# Altium PCB Test_Board.PcbDoc
Units mm, origin at the board's own origin, x right, y up, seen from the top; angles counter-clockwise.
Board outline 25 x 75 mm, 2 copper layers (Top Layer, Bottom Layer); 95 components, 49 nets, 222 pads, 137 vias.
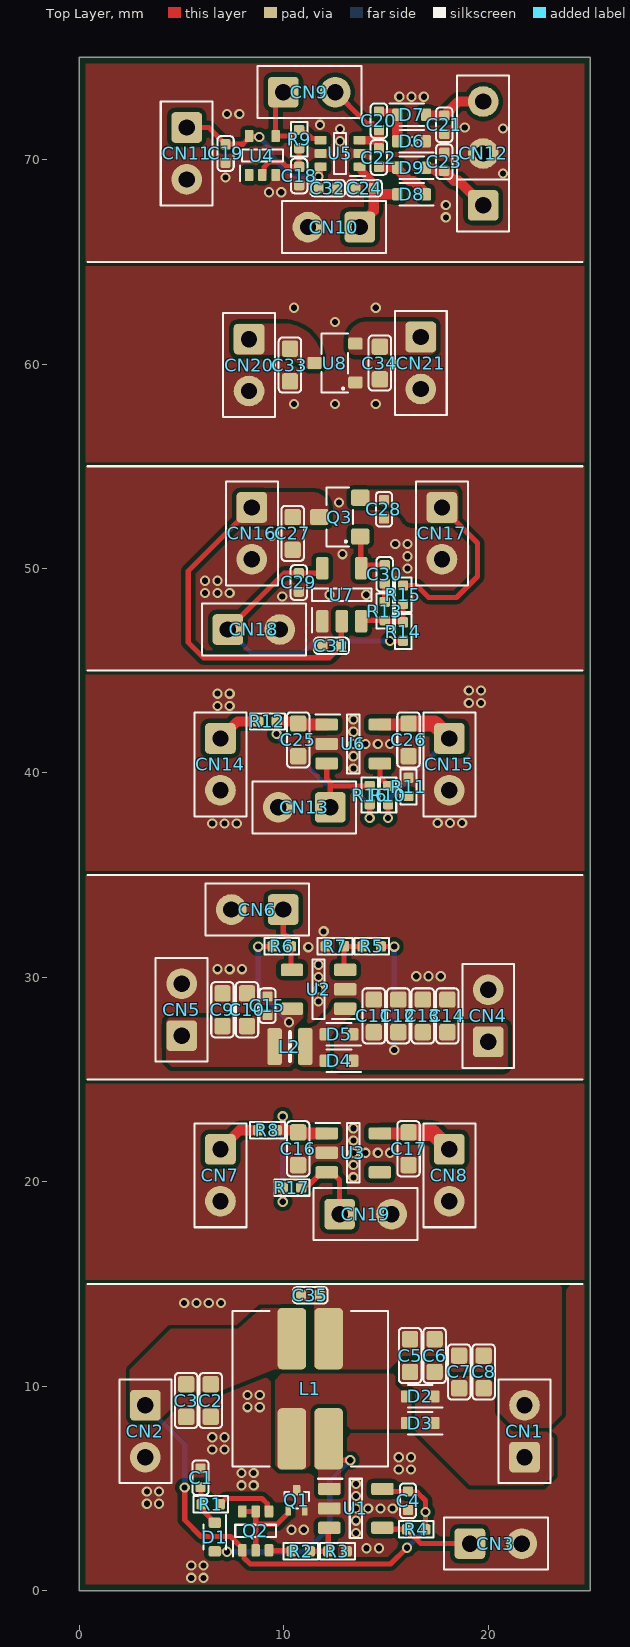
[diagram p0: Top Layer view]
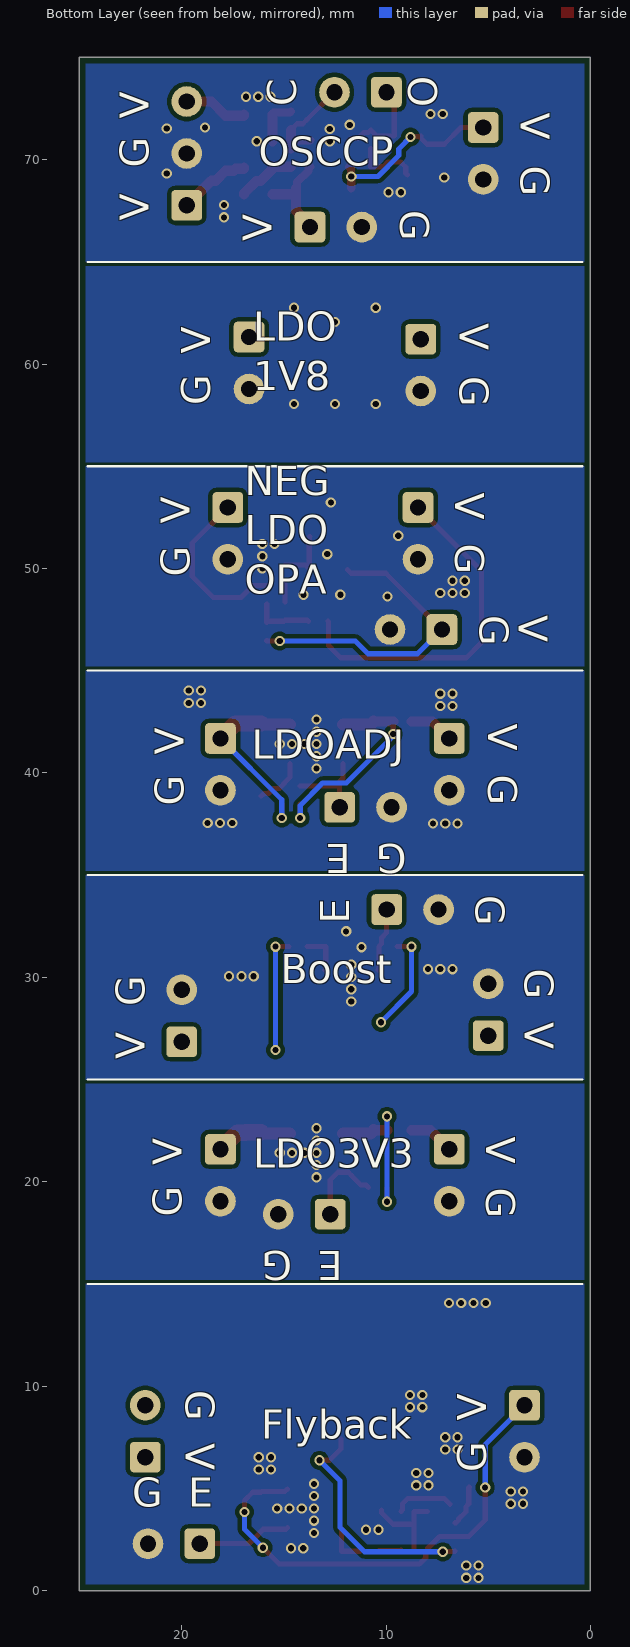
[diagram p1: Bottom Layer view, seen from below]
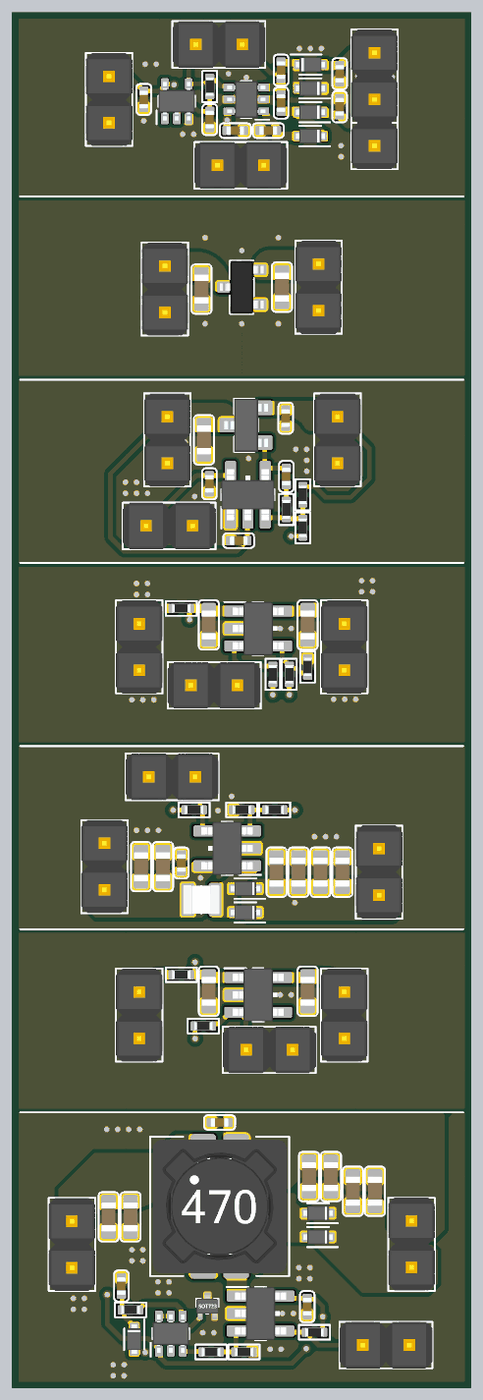
[diagram p2: 3D render of the assembled board from above, using the file's embedded part models]

## Layer stack, top to bottom
Top Solder: solder mask 0.0102, Solder Resist, Dk 3.5
Top Layer: signal copper 0.0356
Dielectric 1: dielectric 0.32, FR-4, Dk 4.8
Bottom Layer: signal copper 0.0356
Bottom Solder: solder mask 0.0102, Solder Resist, Dk 3.5

## Board outline
0,0 25,0 25,75 0,75

## Design rules (kind name [scope] priority, off if disabled: settings)
BoardOutlineClearance [All] p1: gap=0.3 ignorepadtopadclearanceinfootprint=FALSE
Clearance [All] p1: gap=0.203 ignorepadtopadclearanceinfootprint=FALSE
MinimumSolderMaskSliver [All] p1: minsoldermaskwidth=0.127
PlaneConnect [All] p1: planeconnectstyle=Direct reliefexpansion=0.508 reliefentries=4 reliefconductorwidth=0.254 reliefairgap=0.254
PolygonConnect [All] p1: connectstyle=Direct reliefconductorwidth=0.254 reliefentries=4 polygonreliefangle="90 Angle" airgapwidth=0.254
RoutingVias [All] p1: holewidth=0.3 width=0.5 viastyle="Through Hole" minholewidth=0.3 minwidth=0.5 maxholewidth=0.3 maxwidth=0.5
SilkToSilkClearance [All] p1: silktosilkclearance=0.15
SilkToSolderMaskClearance [IsPad] p1: minsilkscreentomaskgap=0.1 clearancetoexposedcopper=TRUE
SolderMaskExpansion [All] p1: expansion=0.102 istentingtop=FALSE
Width [All] p1: maxlimit=1 minlimit=0.203 preferedwidth=0.254
26 further rules are at their usual default settings.

## Components (designator, comment, footprint, x,y, rotation, side; value= is the part's Value field where it differs from the comment)
C1 "10n" CAP_0402 5.925,5.522 r90 top locked
C2 "10u" CAP_0603 6.425,9.297 r270 top locked
C3 "10u" CAP_0603 5.225,9.297 r270 top locked
C4 "1u" CAP_0402 16.075,4.397 r270 top locked
C5 "10u" CAP_0603 16.175,11.497 r90 top locked
C6 "10u" CAP_0603 17.375,11.497 r90 top locked
C7 "10u" CAP_0603 18.575,10.697 r90 top locked
C8 "10u" CAP_0603 19.775,10.697 r90 top locked
C9 "10u" CAP_0603 7,28.415 r90 top locked
C10 "10u" CAP_0603 8.2,28.415 r90 top locked
C11 "10u" CAP_0603 14.4,28.115 r90 top locked
C12 "10u" CAP_0603 15.6,28.115 r90 top locked
C13 "10u" CAP_0603 16.8,28.115 r90 top locked
C14 "10u" CAP_0603 18,28.115 r90 top locked
C15 "1u" CAP_0402 9.2,28.615 r90 top locked
C16 "10u" CAP_0603 10.7,21.615 r270 top locked
C17 "10u" CAP_0603 16.1,21.615 r270 top locked
C18 "56p" CAP_0402 10.75,69.2 r270 top locked
C19 "1u" CAP_0402 7.15,70.3 r270 top locked
C20 "10u" CAP_0402 14.65,71.9 r270 top locked
C21 "10u" CAP_0402 17.85,71.7 r270 top locked
C22 "10u" CAP_0402 14.65,70.1 r90 top locked
C23 "10u" CAP_0402 17.85,69.9 r90 top locked
C24 "1u" CAP_0402 13.95,68.6 r180 top locked
C25 "10u" CAP_0603 10.7,41.615 r270 top locked
C26 "10u" CAP_0603 16.1,41.615 r270 top locked
C27 "10u" CAP_0603 10.435,51.715 r270 top locked
C28 "10u" CAP_0402 14.9,52.9 r270 top
C29 "1u" CAP_0402 10.735,49.315 r270 top locked
C30 "10p" CAP_0402 14.935,49.715 r90 top locked
C31 "1u" CAP_0402 12.335,46.215 r180 top locked
C32 "1u" CAP_0402 12.15,68.6 r0 top locked
C33 "10u" CAP_0603 10.3,59.95 r270 top locked
C34 "10u" CAP_0603 14.7,60.05 r270 top locked
C35 "1n" CAP_0402 11.295,14.45 r0 top locked
CN1 "Header_2.54mm_1x2P_Male_TH" Header_2.54mm_1x2P_Male_TH 21.775,7.797 r90 top locked
CN2 "Header_2.54mm_1x2P_Male_TH" Header_2.54mm_1x2P_Male_TH 3.225,7.797 r270 top locked
CN3 "Header_2.54mm_1x2P_Male_TH" Header_2.54mm_1x2P_Male_TH 20.375,2.297 r0 top locked
CN4 "Header_2.54mm_1x2P_Male_TH" Header_2.54mm_1x2P_Male_TH 20,28.115 r90 top locked
CN5 "Header_2.54mm_1x2P_Male_TH" Header_2.54mm_1x2P_Male_TH 5,28.415 r90 top locked
CN6 "Header_2.54mm_1x2P_Male_TH" Header_2.54mm_1x2P_Male_TH 8.7,33.315 r180 top locked
CN7 "Header_2.54mm_1x2P_Male_TH" Header_2.54mm_1x2P_Male_TH 6.9,20.315 r270 top locked
CN8 "Header_2.54mm_1x2P_Male_TH" Header_2.54mm_1x2P_Male_TH 18.1,20.315 r270 top locked
CN9 "Header_2.54mm_1x2P_Male_TH" Header_2.54mm_1x2P_Male_TH 11.25,73.3 r0 top locked
CN10 "Header_2.54mm_1x2P_Male_TH" Header_2.54mm_1x2P_Male_TH 12.45,66.7 r180 top locked
CN11 "Header_2.54mm_1x2P_Male_TH" Header_2.54mm_1x2P_Male_TH 5.25,70.3 r270 top locked
CN12 "Header_2.54mm_1x3P_Male_TH" Header_2.54mm_1x3P_Male_TH 19.75,70.3 r90 top locked
CN13 "Header_2.54mm_1x2P_Male_TH" Header_2.54mm_1x2P_Male_TH 11,38.315 r180 top locked
CN14 "Header_2.54mm_1x2P_Male_TH" Header_2.54mm_1x2P_Male_TH 6.9,40.415 r270 top locked
CN15 "Header_2.54mm_1x2P_Male_TH" Header_2.54mm_1x2P_Male_TH 18.1,40.415 r270 top locked
CN16 "Header_2.54mm_1x2P_Male_TH" Header_2.54mm_1x2P_Male_TH 8.435,51.715 r270 top locked
CN17 "Header_2.54mm_1x2P_Male_TH" Header_2.54mm_1x2P_Male_TH 17.735,51.715 r270 top locked
CN18 "Header_2.54mm_1x2P_Male_TH" Header_2.54mm_1x2P_Male_TH 8.535,47.015 r0 top locked
CN19 "Header_2.54mm_1x2P_Male_TH" Header_2.54mm_1x2P_Male_TH 14,18.415 r0 top locked
CN20 "Header_2.54mm_1x2P_Male_TH" Header_2.54mm_1x2P_Male_TH 8.3,59.95 r270 top locked
CN21 "Header_2.54mm_1x2P_Male_TH" Header_2.54mm_1x2P_Male_TH 16.7,60.05 r270 top locked
D1 "1N4148WT" SOD-523-2 6.625,2.622 r270 top locked
D2 "RB521S30T1G" SOD-523-2 16.675,9.497 r180 top locked
D3 "RB521S30T1G" SOD-523-2 16.675,8.197 r180 top locked
D4 "RB521S30T1G" SOD-523-2 12.7,25.915 r180 top locked
D5 "RB521S30T1G" SOD-523-2 12.7,27.215 r180 top locked
D6 "1N4148WT" SOD-523-2 16.25,70.9 r180 top locked
D7 "1N4148WT" SOD-523-2 16.25,72.2 r0 top locked
D8 "1N4148WT" SOD-523-2 16.25,68.3 r180 top locked
D9 "1N4148WT" SOD-523-2 16.25,69.6 r180 top locked
L1 "SRF0703-100M" SRF0703 11.295,9.872 r0 top locked
L2 "4u7" IND_0806 10.3,26.615 r0 top locked
Q1 "TF2123G-E3-AQ3-R" SOT-723-3_120X80X50_40P 10.625,4.422 r0 top locked
Q2 "MMDT3906" SOT-363-6_215X130X110_65P 8.625,2.922 r0 top locked
Q3 "SI2301-ZE" SOT-23-3_290X130X103_95P 12.735,52.515 r90 top locked
R1 "84K" RES_0402 6.425,4.222 r180 top locked
R2 "10K" RES_0402 10.825,1.922 r180 top locked
R3 "10K" RES_0402 12.625,1.922 r180 top locked
R4 "100K" RES_0402 16.475,2.997 r0 top locked
R5 "33K" RES_0402 14.3,31.515 r0 top locked
R6 "100K" RES_0402 9.9,31.515 r180 top locked
R7 "10K" RES_0402 12.5,31.515 r0 top locked
R8 "10R" RES_0402 9.2,22.515 r180 top locked
R9 "270K" RES_0402 10.75,71 r270 top locked
R10 "806K" RES_0402 15.1,38.915 r270 top locked
R11 "150K" RES_0402 16.1,39.315 r270 top locked
R12 "10R" RES_0402 9.2,42.515 r180 top locked
R13 "2M" RES_0402 14.935,47.915 r270 top locked
R14 "1M" RES_0402 15.835,46.915 r270 top locked
R15 "47K" RES_0402 15.835,48.715 r270 top locked
R16 "100K" RES_0402 14.2,38.915 r270 top locked
R17 "100K" RES_0402 10.4,19.715 r0 top locked
U1 "MT3540" SOT-23-5_290X160X120_95P 13.525,4.022 r0 top locked
U2 "MT3540" SOT-23-5_290X160X120_95P 11.7,29.415 r180 top locked
U3 "RT9078-33GJ5" SOT-23-5_290X160X120_95P 13.4,21.415 r0 top locked
U4 "SN74LVC1G14DCK" SOT-353-5_215X130X110_65P 8.95,70.2 r0 top locked
U5 "74LVC1T45DW-7" SOT-363-6_215X130X110_65P 12.75,70.3 r90 top locked
U6 "RS3236-ADJ8YF5" SOT-23-5_290X160X120_95P 13.4,41.415 r0 top locked
U7 "LM321" SOT-23-5_290X160X120_95P 12.835,48.715 r90 top locked
U8 "XC6206P182MR" SOT-23-3_290X130X95_95P_S 12.5,60.05 r90 top locked

## Footprints (in the part's own frame and the unit in brackets; to place one, negate y for a bottom-side part, rotate by r counter-clockwise, add the part's x,y. Pads: shape width x height; smd on the part's side, far side on the other; paste and mask are expansions set on the pad)
CAP_0402 [mm] "Murata_GRM15_DT0.20mm_aLbBcL"
  rrect30% 0.5x0.5 smd: 1(-0.45,0) 2(0.45,0)
  silkscreen extent -0.85,-0.4 0.85,0.4, body extent -0.5,-0.25 0.5,0.25, height 0.55
CAP_0603 [mm] "Murata_GRM18_DT0.20mm_aMbBcL"
  rrect30% 0.8x0.8 smd: 1(-0.8,0) 2(0.8,0)
  silkscreen extent -1.35,-0.55 1.35,0.55, body extent -0.8,-0.4 0.8,0.4, height 0.9
Header_2.54mm_1x2P_Male_TH [mm] "Header_2.54mm_1x2P_Male_Through_Hole"
  rrect25% 1.5x1.5 hole 0.8: 1(-1.27,0)
  round 1.5 hole 0.8: 2(1.27,0)
  silkscreen extent -2.54,-1.27 2.54,1.27, body extent -2.53,-1.27 2.55,1.27, height 9.5
Header_2.54mm_1x3P_Male_TH [mm] "Header_2.54mm_1x3P_Male_Through_Hole"
  rrect25% 1.5x1.5 hole 0.8: 1(-2.54,0)
  round 1.5 hole 0.8: 2(0,0) 3(2.54,0)
  silkscreen extent -3.81,-1.27 3.81,1.27, body extent -3.81,-1.27 3.81,1.27, height 9.5
IND_0806 [mm] "TaiyoYuden_MAKK2016"
  rrect30% 0.7x1.8 smd: 1(-0.75,0) 2(0.75,0)
  silkscreen extent 0,-0.7 0,0.7, body extent -1,-0.8 1,0.8, height 0.9
RES_0402 [mm] "RES_0402"
  rrect30% 0.5x0.5 smd: 1(-0.45,0) 2(0.45,0)
  silkscreen extent -0.85,-0.4 0.85,0.4, body extent -0.5,-0.25 0.5,0.25, height 0.35
SOD-523-2 [mm] "Nexperia_SOD523"
  rrect30% 0.5x0.6 smd paste-0.05 mask+0.05: 1(-0.7,0) 2(0.7,0)
  silkscreen extent -1.07,-0.55 0.6,0.55, body extent -0.8,-0.4 0.8,0.4, height 0.7
SOT-23-3_290X130X95_95P_S [mm] "Nexperia_2N7002"
  rrect30% 0.6x0.7 smd: 1(-0.95,-1) 2(0.95,-1) 3(0,1)
  silkscreen extent -1.45,-0.65 1.45,0.65, body extent -1.45,-1.2 1.45,1.2, height 0.95
SOT-23-3_290X130X103_95P [mm] "Diode_DMN3023L-7"
  rrect30% 0.8x0.9 smd: 1(-0.95,-1) 2(0.95,-1) 3(0,1)
  silkscreen extent -1.45,-0.65 1.45,0.65, body extent -1.45,-1.2 1.45,1.2, height 1.1
SOT-23-5_290X160X120_95P [mm] "TI_TLV74130PDBVR"
  rrect30% 1.1x0.6 smd: 1(-1.3,0.95) 2(-1.3,0) 3(-1.3,-0.95) 4(1.3,-0.95) 5(1.3,0.95)
  silkscreen extent -1.85,-1.45 0.3,1.45, body extent -1.4,-1.45 1.4,1.45, height 1.2
SOT-353-5_215X130X110_65P [mm] "Diodes_74AHC1G14SE-7_edit"
  rrect30% 0.42x0.6 smd mask+0.05: 1(-0.65,-0.95) 2(0,-0.95) 3(0.65,-0.95) 4(0.65,0.95) 5(-0.65,0.95)
  silkscreen extent -1.1,-1.25 1,0.3, body extent -1,-1.05 1,1.05, height 1.1
SOT-363-6_215X130X110_65P [mm] "Diodes_74LVC1T45DW-7"
  rrect30% 0.42x0.6 smd mask+0.05: 1(-0.65,-0.95) 2(0,-0.95) 3(0.65,-0.95) 4(0.65,0.95) 5(0,0.95) 6(-0.65,0.95)
  silkscreen extent -1.1,-1.25 1,0.3, body extent -1,-1.05 1,1.05, height 1.1
SOT-723-3_120X80X50_40P [mm] "onsemi_NTK3043NT1G"
  rrect30% 0.27x0.52 smd mask+0.05: 1(-0.4,-0.49) 2(0.4,-0.49)
  rrect30% 0.36x0.52 smd mask+0.05: 3(0,0.49)
  silkscreen extent -0.6,-0.4 0.6,0.4, body extent -0.6,-0.6 0.6,0.6, height 0.51
SRF0703 [mm] "Bourns_SRF0703"
  rrect30% 1.4x3 smd: 1(-0.9,2.45) 2(0.9,2.45) 3(0.9,-2.45) 4(-0.9,-2.45)
  silkscreen extent -3.8,-3.8 3.8,3.8, body extent -3.65,-3.65 3.65,3.65, height 3.4

## Part data
C1 C2 C3 C4 C5 C6 C7 C8 C9 C10 C11 C12 C13 C14 C15 C16 C17 C18 C19 C20 C21 C22 C23 C24 C25 C26 C27 C28 C29 C30 C31 C32 C33 C34 C35: library part Capacitor, "Capacitor", Voltage=V
CN1 CN2 CN3 CN4 CN5 CN6 CN7 CN8 CN9 CN10 CN11 CN13 CN14 CN15 CN16 CN17 CN18 CN19 CN20 CN21: "Header_2.54mm_1x2P_Male / Through-hole"
CN12: "Header_2.54mm_1x3P_Male / Through-hole"
D1 D6 D7 D8 D9: "Signal Diode"
D2 D3 D4 D5: "Schottky Diode"
L1: Current=A
L2: library part Inductor_IRON, "Inductor_IRON", Current=A
Q1: "N-JFET"
Q2: "Double PNP"
Q3: "P-MOSFET"
R1 R2 R3 R4 R5 R6 R7 R8 R9 R10 R11 R12 R13 R14 R15 R16 R17: library part Resistor, "Resistor", Voltage=V
U1 U2: "Asynchronous Boost Convertor / Vin:2.5~5.5V / Vout:Vin~28V"
U3: "LDO 3.3V"
U4: "Schmitt trigger inverter"
U5: "1-bit Voltage Translator"
U6: "LDO Adjustable"
U7: "Single_OPA"
U8: "LDO 1.8V"

## Via types
v1: diameter 0.5, hole 0.3, Top Layer to Bottom Layer, tented both sides, 137 vias

## Nets (pads, with @x,y where several pads share a name; then routed paths per layer and width w, separated by ;. In a path a pad name is that pad's centre, name@x,y a point inside that pad or via, vN(x,y) a via of type N, cw(c..) or ccw(c..) an arc to the next point about the centre after c; other vN are vias at no path point)
1.8V: C19.1 C32.1 CN11.1 U4.5 U5.6 | length 9.2
  Top Layer w0.254: CN11.1 6.33,71.57 C19.1 7.99,70.75 U4.5@8.3,71.06 ; U4.5 U4.5@8.3,71.06 ; v1(8.8,71.1) 8.775,71.125 8.365,71.125 U4.5@8.3,71.06
  Top Layer w0.4: C32.1 v1(11.7,69.175) 11.719,69.194 11.719,69.64 11.729,69.65 U5.6
  Bottom Layer w0.254: v1(8.8,71.1) 9.375,70.525 9.375,70.2 10.4,69.175 v1(11.7,69.175)
1.8V2: C34.1 CN21.1 U8.2
3.3V: C17.1 CN8.1 U3.5 | length 3.8
  Top Layer w0.6: U3.5 16.05,22.365 C17.1
  Top Layer w0.8: C17.1 16.885,22.415 16.9,22.4 17.285,22.4 CN8.1
3.3V2: C24.1 CN10.1 D8.2 U5.1 | length 4.7
  Top Layer w0.4: U5.1 13.79,69.65 13.8,69.64 13.8,69.45 14.35,68.9 14.35,68.65 C24.1
  Top Layer w0.5: CN10.1 14.22,67.2 14.22,67.313 14.4,67.493 14.4,68.3 ; C24.1 14.4,68.3 ; D8.2 14.4,68.3
3.3V3: C29.1 CN18.1 R14.2 U7.5 | length 15.2
  Top Layer w0.254: CN18.1 10.015,49.765 C29.1 11.712,49.765 U7.5@11.88,49.933 ; v1(15.2,46.45) 15.207,46.457 15.828,46.457 R14.2
  Bottom Layer w0.254: CN18.1 8.455,45.825 10.876,45.825 11.501,46.45 v1(15.2,46.45)
5.15V: C26.1 CN15.1 R10.2 U6.5 | length 9.5
  Top Layer w0.254: v1(15.1,37.8) R10.2
  Top Layer w0.6: U6.5 16.05,42.365 C26.1
  Top Layer w0.8: C26.1 17.37,42.415 CN15.1
  Bottom Layer w0.254: v1(15.1,37.8) 15.1,38.685 CN15.1
5Vin: CN7.1 R8.2 | length 2.2
  Top Layer w0.5: CN7.1 7.83,22.515 R8.2
-0.15V: C28.1 CN17.1 Q3.2 R15.1 | length 8.4
  Top Layer w0.254: R15.1 16.5,49.165 17.09,48.575 18.45,48.575 19.475,49.6 19.475,51.245 CN17.1
CP_SRC: C20.2 C22.2 CN9.2 U5.3 | length 4.7
  Top Layer w0.254: CN9.2 12.525,73.3 13.875,71.95 14.075,71.75 14.35,71.75 C20.2
  Top Layer w0.42: U5.3 14.65,70.95
  Top Layer w0.5: C22.2 14.65,70.95 C20.2
CP_V+: C23.1 CN12.1 D9.1 | length 3.6
  Top Layer w0.5: D9.1 16.95,69.55 17.35,69.55 17.45,69.45 C23.1 18.333,68.967 18.543,68.967 CN12.1
CP_V-: C21.1 CN12.3 D7.2 | length 3.1
  Top Layer w0.5: D7.2 16.95,72.15 C21.1 18.54,72.84 CN12.3
EN1: CN3.1 R4.1 U1.4 | length 4.6
  Top Layer w0.254: U1.4 14.9,2.997 R4.1 16.148,2.874 16.148,2.851 16.702,2.297 CN3.1
EN2: CN6.1 R6.1 U2.4 | length 3.1
  Top Layer w0.254: CN6.1 9.97,32.184 10.227,31.927 10.227,31.638 R6.1 10.35,30.415 U2.4
EN3: CN19.1 R17.2 U3.3 | length 4
  Top Layer w0.254: R17.2 10.973,19.838 11.238,19.838 11.677,20.277 11.677,20.292 11.85,20.465 12.35,20.465 12.73,20.085 CN19.1
EN4: CN13.1 R16.1 U6.3 | length 4.1
  Top Layer w0.254: U6.3 12.1,39.725 12.275,39.55 12.275,39.365 ; CN13.1 12.275,38.32 12.275,39.365 ; R16.1 12.275,39.365
FB: R2.1 R3.2 U1.3 | length 2.1
  Top Layer w0.254: R2.1 R3.2 12.175,3.022 U1.3
GND: C1.2 C2.2 C3.2 C4.2 C35.1 CN2.2 CN3.2 Q1.2 Q1.3 R3.1 U1.2
  other v1: 5.475,0.625 6.075,0.625 5.475,1.225 6.075,1.225 14.05,2.075 14.65,2.075 13.525,2.822 10.375,2.975 10.975,2.975 13.525,3.422 13.525,4.022 14.125,4.022 14.725,4.022 15.325,4.022 3.3,4.25 3.9,4.25 13.525,4.622 3.3,4.85 3.9,4.85 7.925,5.15 8.525,5.15 13.525,5.222 7.925,5.75 8.525,5.75 15.625,5.925 16.225,5.925 15.625,6.525 16.225,6.525 6.5,6.9 7.1,6.9 6.5,7.5 7.1,7.5 8.225,8.975 8.825,8.975 8.225,9.575 8.825,9.575 5.125,14.075 5.725,14.075 6.325,14.075 6.925,14.075
GND1: C5.2 C6.2 C7.2 C8.2 C35.2 CN1.2 L1.2
GND2: C9.2 C10.2 C11.2 C12.2 C13.2 C14.2 C15.2 CN4.2 CN5.2 CN6.2 R7.1 U2.2
  other v1: 11.7,28.815 11.7,29.415 11.7,30.015 16.475,30.05 17.075,30.05 17.675,30.05 6.75,30.4 7.35,30.4 7.95,30.4 11.7,30.615 11.2,31.475 11.95,32.25
GND3: C16.2 C17.2 CN7.2 CN8.2 CN19.2 U3.2
  other v1: 13.4,20.215 13.4,20.815 13.4,21.415 14,21.415 14.6,21.415 15.2,21.415 13.4,22.015 13.4,22.615
GND4: C18.2 C19.2 C21.2 C23.2 C24.2 C32.2 CN10.2 CN11.2 CN12.2 D6.1 U4.3 U5.2 U5.5
  other v1: 17.925,67.175 17.925,67.775 9.275,68.4 9.875,68.4 7.15,69.125 20.725,69.325 12.75,70.9 16.325,70.9 12.75,71.5 20.725,71.525 18.85,71.57 11.775,71.7 7.225,72.225 7.825,72.225 15.65,73.075 16.25,73.075 16.85,73.075
GND5: C25.2 C26.2 CN13.2 CN14.2 CN15.2 R11.1 U6.2
  other v1: 6.5,37.525 7.1,37.525 7.7,37.525 17.525,37.55 18.125,37.55 18.725,37.55 13.4,40.215 13.4,40.815 13.4,41.415 14,41.415 14.6,41.415 15.2,41.415 13.4,42.015 13.4,42.615 6.75,43.275 7.35,43.275 19.05,43.425 19.65,43.425 6.75,43.875 7.35,43.875 19.05,44.025 19.65,44.025
GND6: C27.2 C28.2 C29.2 C31.2 CN16.2 CN17.2 CN18.2 U7.1
  other v1: 9.925,48.625 12.235,48.715 14.035,48.715 6.15,48.8 6.75,48.8 7.35,48.8 6.15,49.4 6.75,49.4 16.05,50 16.05,50.6 12.875,50.7 15.45,51.2 16.05,51.2 9.4,51.6 12.7,53.225
GND7: C33.2 C34.2 CN20.2 CN21.2 U8.1
  other v1: 10.5,58.05 12.5,58.05 14.5,58.05 12.5,62.05 10.5,62.75 14.5,62.75
NetC1_1: C1.1 D1.1 R1.2 | length 2.1
  Top Layer w0.254: C1.1 5.95,5.047 5.95,4.247 R1.2 6.094,4.104 6.094,3.854 6.452,3.495 6.452,3.445 6.575,3.322 D1.1
NetC16_1: C16.1 R8.1 R17.1 U3.1 | length 7.8
  Top Layer w0.254: 9.925,22.515 9.95,22.54 v1(9.95,23.2) ; v1(9.95,19.025) R17.1
  Top Layer w0.5: 9.925,22.515 C16.1@10.6,22.515
  Top Layer w0.6: C16.1@10.6,22.515 C16.1 10.75,22.365 U3.1
  Bottom Layer w0.254: v1(9.95,19.025) v1(9.95,23.2)
NetC18_1: C18.1 R9.2 U4.2 | length 3.2
  Top Layer w0.254: U4.2 9.033,69.333 9.033,69.623 9.29,69.88 9.91,69.88 10.14,69.65 C18.1 R9.2
NetC20_1: C20.1 D6.2 D7.1 | length 2.3
  Top Layer w0.4: C20.1 14.7,72.3 15.266,72.3 15.5,72.3 15.55,72.25 D7.1
  Top Layer w0.5: D6.2 D7.1
NetC22_1: C22.1 D8.1 D9.2 | length 2.9
  Top Layer w0.5: C22.1 15.55,69.65 D9.2 15.55,69.55 16.15,68.95 16.35,68.95 16.95,68.35 D8.1
NetC25_1: C25.1 R12.1 R16.2 U6.1 | length 10.5
  Top Layer w0.254: v1(9.65,41.9) R12.1 ; v1(14.2,37.8) R16.2
  Top Layer w0.5: R12.1 C25.1@10.6,42.515
  Top Layer w0.6: C25.1@10.6,42.515 C25.1 10.75,42.365 U6.1
  Bottom Layer w0.254: v1(9.65,41.9) 9.65,41.8 11.95,39.5 13.1,39.5 14.2,38.4 v1(14.2,37.8)
NetC30_1: C30.1 R13.1 | length 0.9
  Top Layer w0.254: R13.1 C30.1
NetC30_2: C30.2 Q3.1 U7.4 | length 2.8
  Top Layer w0.254: Q3.1 13.76,51.54 13.76,50.04 U7.4 13.935,50.165 C30.2
NetD1_2: D1.2 L1.3 U1.1 | length 11.6
  Top Layer w0.254: D1.2 6.636,1.911 7.214,1.911 v1(7.225,1.9) ; L1.3 12.195,6.942 12.762,6.375 v1(13.25,6.375)
  Bottom Layer w0.254: v1(7.225,1.9) 11.05,1.9 12.25,3.1 12.25,5.375 v1(13.25,6.375)
NetD2_2: D2.2 D3.2 L1.4
NetD4_2: D4.2 D5.2 L2.2 U2.1
NetQ1_1: Q1.1 Q2.2 Q2.5 Q2.6 | length 4.5
  Top Layer w0.254: Q2.6 Q2.5 8.625,3.275 ; Q2.2 8.625,3.275 ; Q1.1 10.225,3.807 9.66,3.242 8.658,3.242 8.625,3.275
NetQ2_3: Q2.3 R2.2 | length 1.1
  Top Layer w0.254: Q2.3 9.3,1.947 10.35,1.947 R2.2
NetQ2_4: Q2.4 R1.1 | length 2.9
  Top Layer w0.254: R1.1 7.155,4.503 8.935,4.503 9.192,4.246 9.192,3.955 Q2.4
NetR5_1: R5.1 R7.2 U2.3 | length 2.1
  Top Layer w0.254: U2.3 12.95,30.415 R7.2 R5.1
NetR10_1: R10.1 R11.2 U6.4 | length 2.5
  Top Layer w0.254: U6.4 14.7,39.788 14.977,39.511 14.977,39.488 R10.1 15.222,39.243 15.488,39.243 15.743,38.988 15.977,38.988 R11.2
NetR13_2: R13.2 R14.1 R15.2 U7.3 | length 3
  Top Layer w0.254: U7.3 13.835,47.465 R13.2 14.985,47.415 15.785,47.415 R14.1 R15.2
OSC: CN9.1 R9.1 U4.4 U5.4 | length 4.8
  Top Layer w0.254: CN9.1 9.6,72.92 U4.4 10.45,71.15 R9.1 10.873,71.327 11.073,71.327 11.373,71.027 11.723,71.027 U5.4
VCC: C2.1 C3.1 C4.1 CN2.1 L1.1 Q2.1 R4.2 U1.5 | length 24.6
  Top Layer w0.254: v1(5.15,5.05) 5.15,3.45 5.95,2.65 7.388,2.65 7.975,2.062 Q2.1 8.058,1.889 8.058,1.599 8.358,1.3 15.225,1.3 v1(16.025,2.1) ; U1.5 14.95,4.847 C4.1 16.114,4.808 16.523,4.808 16.925,4.406 R4.2
  Bottom Layer w0.254: CN2.1 5.15,7.143 v1(5.15,5.05) ; v1(16.025,2.1) 16.925,3 v1(16.925,3.848)
VCC1: C5.1 C6.1 C7.1 C8.1 CN1.1 D2.1 D3.1
VCC2: C9.1 C10.1 C15.1 CN5.1 L2.1 R6.2 U2.5 | length 5
  Top Layer w0.254: v1(8.75,31.5) 8.758,31.508 9.443,31.508 R6.2
  Bottom Layer w0.254: v1(8.75,31.5) 8.75,29.3 v1(10.25,27.8)
VCC3: C11.1 C12.1 C13.1 C14.1 CN4.1 D4.1 D5.1 R5.2 | length 5.7
  Top Layer w0.254: R5.2 14.758,31.508 15.392,31.508 v1(15.4,31.5)
  Bottom Layer w0.254: v1(15.4,26.45) v1(15.4,31.5)
VCC4: CN14.1 R12.2 | length 2.2
  Top Layer w0.5: CN14.1 7.73,42.515 R12.2
VCC5: C33.1 CN20.1 U8.3
VSS: C27.1 C31.1 CN16.1 Q3.3 U7.2 | length 17.1
  Top Layer w0.254: CN16.1 5.325,49.875 5.325,46.375 6.065,45.635 12.228,45.635 12.662,46.069 12.662,46.092 12.81,46.24 12.81,47.39 U7.2
pads on no net: U3.4 U4.1

## Polygon pours and split planes (outlines as drawn)
GND4 on Top Layer "GND4_L01_P025" (solid, pour order 25): 0,75 25,75 25,65 0,65
GND7 on Top Layer "GND7_L01_P026" (solid, pour order 26): 0,65 25,65 25,55 0,55
1.8V2 on Top Layer "1.8V2_L01_P023" (solid, pour order 23): 14.025,62.075 17.25,62.075 cw(c17.25,61.875) 17.45,61.875 17.45,60.775 cw(c17.125,60.775) 17.125,60.45 13.5,60.45 cw(c13.5,60.8) 13.15,60.8 13.15,61.2 cw(c14.025,61.2)
VCC5 on Top Layer "VCC5_L01_P021" (solid, pour order 21): 7.8,61.975 9.875,61.975 10.15,61.975 cw(c9.972,60.098) 11.85,60.275 11.85,59.85 11.75,59.75 11.202,59.75 cw(c12.192,61.693) 11.117,59.795 10.3,60.275 10.025,60.35 ccw(c9.185,57.102) 9.4,60.45 7.725,60.45 7.55,60.625 7.55,61.725
-0.15V on Top Layer "-0.15V_L01_P017" (solid, pour order 17): 18.4,53.85 cw(c18.4,53.725) 18.525,53.725 18.525,52.3 cw(c18.388,52.337) 18.425,52.2 16.3,52.2 cw(c16.311,52.65) 15.938,52.397 15.8,52.6 ccw(c15.147,52.014) 15.59,52.772 15.23,52.983 ccw(c14.893,52.302) 15.125,53.025 ccw(c14.761,52.058) 15.05,53.05 ccw(c14.638,50.79) 14.875,53.075 14.1,53.075 13.375,53.075 13.3,53.15 13.3,53.775 13.375,53.85
GND6 on Top Layer "GND6_L01_P018" (solid, pour order 18): 0,55 25,55 25,45 0,45
VSS on Top Layer "VSS_L01_P015" (solid, pour order 15): 7.85,53.725 11.448,53.725 cw(c11.448,52.998) 12.175,52.998 12.175,52.25 12.05,52.125 10.05,52.125 7.875,52.125 7.525,52.025 7.675,52.325 7.675,53.55
GND5 on Top Layer "GND5_L01_P019" (solid, pour order 19): 0,45 25,45 25,35 0,35
GND2 on Top Layer "GND2_L01_P012" (solid, pour order 12): 0,35 25,35 25,25 0,25
VCC3 on Top Layer "VCC3_L01_P010" (solid, pour order 10): 13.364,27.75 20.775,27.75 cw(c20.775,27.575) 20.95,27.575 20.95,25.675 cw(c20.702,25.723) 20.75,25.475 12.725,25.475 cw(c12.788,25.788) 12.475,25.725 12.475,26.8 cw(c13.067,26.8) 12.567,27.117 cw(c13.203,26.714) 12.65,27.225 cw(c16.587,23.588) 12.95,27.525 cw(c13.44,27.117)
NetD4_2 on Top Layer "NETD4_2_L01_P009" (solid, pour order 9): 10.775,27.525 11.254,27.525 11.588,27.663 12.344,28.419 12.45,28.675 12.525,28.75 13.475,28.75 13.55,28.675 13.55,28.275 cw(c13.463,28.262) 13.48,28.176 13.403,28.161 13.124,27.974 12.45,27.3 12.371,27.182 12.252,26.959 12.25,25.75 cw(c12.125,25.75) 12.125,25.625 10.938,25.625 cw(c11.064,26.09) 10.789,25.695 cw(c10.967,25.923) 10.705,25.801 10.7,25.85 10.7,27.45
VCC2 on Top Layer "VCC2_L01_P007" (solid, pour order 7): 4.4,28.025 8.4,28.025 8.8,28.425 9.575,28.425 9.9,28.75 10.875,28.75 10.95,28.675 10.95,28.025 10.5,27.575 10.5,25.825 10.299,25.624 4.524,25.626 4.25,25.9 4.25,27.875
GND3 on Top Layer "GND3_L01_P013" (solid, pour order 13): 0,25 25,25 25,15.2 0,15.2
GND on Top Layer "GND_L01_P006" (solid, pour order 6): 0,15 25,15 25,0 0,0
VCC1 on Top Layer "VCC1_L01_P004" (solid, pour order 4): 15.9,11.3 17.825,11.3 17.9,11.225 17.9,10.95 18.275,10.575 20.125,10.575 20.425,10.275 20.425,8.7 21.35,7.775 22.875,7.775 23.2,7.45 23.2,5.65 22.7,5.15 19.1,5.15 16.775,7.475 16.425,7.825 16.425,9.65 16.15,9.925 15.775,9.925 15.65,10.05 15.65,11.05
NetD2_2 on Top Layer "NETD2_2_L01_P003" (solid, pour order 3): 11.075,5.925 11.3,6.15 11.3,8.8 11.6,9.1 12.8,9.1 13.075,8.825 13.075,8.1 13.275,7.9 16,7.9 16.225,8.125 16.225,9.65 16.075,9.8 15.725,9.8 15.45,10.075 15.45,10.475 15.325,10.6 9.875,10.6 9.575,10.3 9.575,6.125 9.775,5.925
GND1 on Top Layer "GND1_L01_P002" (solid, pour order 2): 11.65,15 23.45,15 23.6,14.85 23.6,8.607 22.968,7.975 21.275,7.975 20.525,8.725 20.525,10.2 20.028,10.697 18.228,10.697 18.05,10.875 18.05,11.372 17.925,11.497 15.822,11.497 15.15,10.825 11.65,10.825 11.5,10.975 11.5,14.85
NetD1_2 on Top Layer "NETD1_2_L01_P001" (solid, pour order 1): 12.725,8.9 12.875,8.75 12.875,6.037 12.775,5.912 12.775,4.775 12.675,4.675 11.775,4.675 11.675,4.775 11.675,5.875 11.5,6.05 11.5,8.725 11.675,8.9
VCC on Top Layer "VCC_L01_P000" (solid, pour order 0): 3.9,8.325 4.443,8.868 4.475,9.35 4.825,9.7 6.75,9.7 9.55,10.825 10.896,10.825 11.075,10.995 11.075,13.675 10.937,13.812 8.89,13.813 7.778,12.8 4.475,12.8 2.475,10.8 2.475,8.5 2.65,8.325
GND4 on Bottom Layer "GND4_L02_P024" (solid, pour order 24): 0,75 25,75 25,65 0,65
GND7 on Bottom Layer "GND7_L02_P027" (solid, pour order 27): 25,65 0,65 0,55 25,55
GND6 on Bottom Layer "GND6_L02_P020" (solid, pour order 20): 0,55 25,55 25,45 0,45
GND5 on Bottom Layer "GND5_L02_P016" (solid, pour order 16): 0,45 25,45 25,35 0,35
GND2 on Bottom Layer "GND2_L02_P008" (solid, pour order 8): 0,35 25,35 25,25 0,25
GND3 on Bottom Layer "GND3_L02_P014" (solid, pour order 14): 0,25 25,25 25,15 0,15
GND on Bottom Layer "GND_L02_P005" (solid, pour order 5): 0,15 25,15 25,0 0,0

## Silkscreen, mask and mechanical layers (free items; w line width, h text height)
Top Overlay:
  lines w0.1: 0.4,15 24.6,15 ; 0.4,25 24.6,25 ; 0.4,35 24.6,35 ; 0.4,45 24.6,45 ; 0.4,55 24.6,55 ; 0.4,65 24.6,65
Bottom Overlay:
  lines w0.1: 0.4,15 24.6,15 ; 0.4,25 24.6,25 ; 0.4,35 24.6,35 ; 0.4,45 24.6,45 ; 0.4,55 24.6,55 ; 0.4,65 24.6,65
  text "C" at 13.93,72.62 h2.4 r270
  text "O" at 7.03,72.564 h2.4 r270
  text "V" at 3.869,72.301 h2.4 r90
  text "V" at 21.131,71.999 h2.4 r270
  text "G" at 3.87,69.711 h2.4 r90
  text "G" at 21.13,69.589 h2.4 r270
  text "OSCCP" at 16.222,69.23 h2.4
  text "G" at 9.77,67.511 h2.4 r90
  text "V" at 21.131,66.999 h2.4 r270
  text "V" at 15.131,65.999 h2.4 r270
  text "V" at 6.869,62.001 h2.4 r90
  text "V" at 18.131,60.499 h2.4 r270
  text "G" at 6.87,59.411 h2.4 r90
  text "LDO / 1V8" at 16.494,58.263 h2.4
  text "G" at 18.13,57.989 h2.4 r270
  text "V" at 7.069,53.701 h2.4 r90
  text "V" at 19.131,52.199 h2.4 r270
  text "G" at 7.07,51.211 h2.4 r90
  text "G" at 19.13,49.589 h2.4 r270
  text "NEG / LDO / OPA" at 16.901,48.308 h2.4
  text "V" at 3.969,47.701 h2.4 r90
  text "G" at 5.87,47.711 h2.4 r90
  text "V" at 5.469,42.401 h2.4 r90
  text "V" at 19.431,40.899 h2.4 r270
  text "LDOADJ" at 16.577,40.23 h2.4
  text "G" at 5.47,39.911 h2.4 r90
  text "G" at 19.43,38.389 h2.4 r270
  text "G" at 8.989,36.97 h2.4 r180
  text "E" at 11.726,36.969 h2.4 r180
  text "G" at 6.07,34.011 h2.4 r90
  text "E" at 11.331,32.626 h2.4 r270
  text "G" at 3.67,30.411 h2.4 r90
  text "Boost" at 15.159,29.244 h2.4
  text "G" at 21.33,28.589 h2.4 r270
  text "V" at 3.669,27.801 h2.4 r90
  text "V" at 21.331,25.999 h2.4 r270
  text "V" at 5.569,22.201 h2.4 r90
  text "V" at 19.531,20.799 h2.4 r270
  text "LDO3V3" at 16.492,20.231 h2.4
  text "G" at 5.57,19.711 h2.4 r90
  text "G" at 19.53,18.289 h2.4 r270
  text "E" at 12.126,17.069 h2.4 r180
  text "G" at 14.589,17.07 h2.4 r180
  text "G" at 20.27,9.811 h2.4 r90
  text "V" at 4.631,8.299 h2.4 r270
  text "V" at 20.269,7.201 h2.4 r90
  text "Flyback" at 16.108,6.957 h2.4
  text "G" at 4.63,5.789 h2.4 r270
  text "E" at 19.674,3.631 h2.4
  text "G" at 22.411,3.63 h2.4
Board Shape:
  the board outline again, w0.1
Layout Cache:
  lines w0.1: 0,0 25,15 ; 0,75 25,65 ; 25,0 0,15 ; 25,75 0,65 ; 0,15 25,15 ; 0,15 25,25 ; 0,25 25,35 ; 0,25 25,25 ; 0,25 25,15 ; 0,35 25,45 ; 0,35 25,25 ; 0,35 25,35 ; 0,45 25,55 ; 0,45 25,35 ; 0,45 25,45 ; 0,55 25,55 ; 0,55 25,65 ; 0,55 25,45 ; 0,65 25,55 ; 0,65 25,65 ; 1.855,0.928 1.855,14.072 ; 1.855,0.928 23.145,0.928 ; 1.855,0.928 23.145,14.072 ; 1.855,14.072 23.145,14.072 ; 1.855,14.072 23.145,0.928 ; 3.63,25.315 21.37,25.315 ; 3.63,25.315 3.63,34.685 ; 3.63,25.315 21.37,34.685 ; 3.63,34.685 21.37,25.315 ; 3.63,34.685 21.37,34.685 ; 3.88,65.33 21.12,74.67 ; 3.88,65.33 3.88,74.67 ; 3.88,65.33 21.12,65.33 ; 3.88,74.67 21.12,65.33 ; 3.88,74.67 21.12,74.67 ; 5.53,17.045 19.47,22.955 ; 5.53,17.045 5.53,22.955 ; 5.53,17.045 19.47,17.045 ; 5.53,17.045 19.47,17.045 ; 5.53,22.955 19.47,17.045 ; 5.53,22.955 19.47,22.955 ; 5.53,22.955 19.47,22.955 ; 5.53,36.945 19.47,43.055 ; 5.53,36.945 5.53,43.055 ; 5.53,36.945 19.47,36.945 ; 5.53,43.055 19.47,36.945 ; 5.53,43.055 19.47,43.055 ; 5.895,45.645 19.105,54.355 ; 5.895,45.645 5.895,54.355 ; 5.895,45.645 19.105,45.645 ; 5.895,54.355 19.105,45.645 ; 5.895,54.355 19.105,54.355 ; 6.93,57.31 18.07,62.69 ; 6.93,57.31 6.93,62.59 ; 6.93,57.31 18.07,57.41 ; 6.93,62.59 18.07,57.41 ; 6.93,62.59 18.07,62.69 ; 18.07,57.41 18.07,62.69 ; 19.105,45.645 19.105,54.355 ; 19.47,17.045 19.47,22.955 ; 19.47,36.945 19.47,43.055 ; 21.12,65.33 21.12,74.67 ; 21.37,25.315 21.37,34.685 ; 23.145,0.928 23.145,14.072
  text "Copyright (c) 2024 powered by nathan1998tw/JimmyLiu" at 30.463,0 h2 r90